# KiCad board mainboard_1.kicad_pcb (continued)
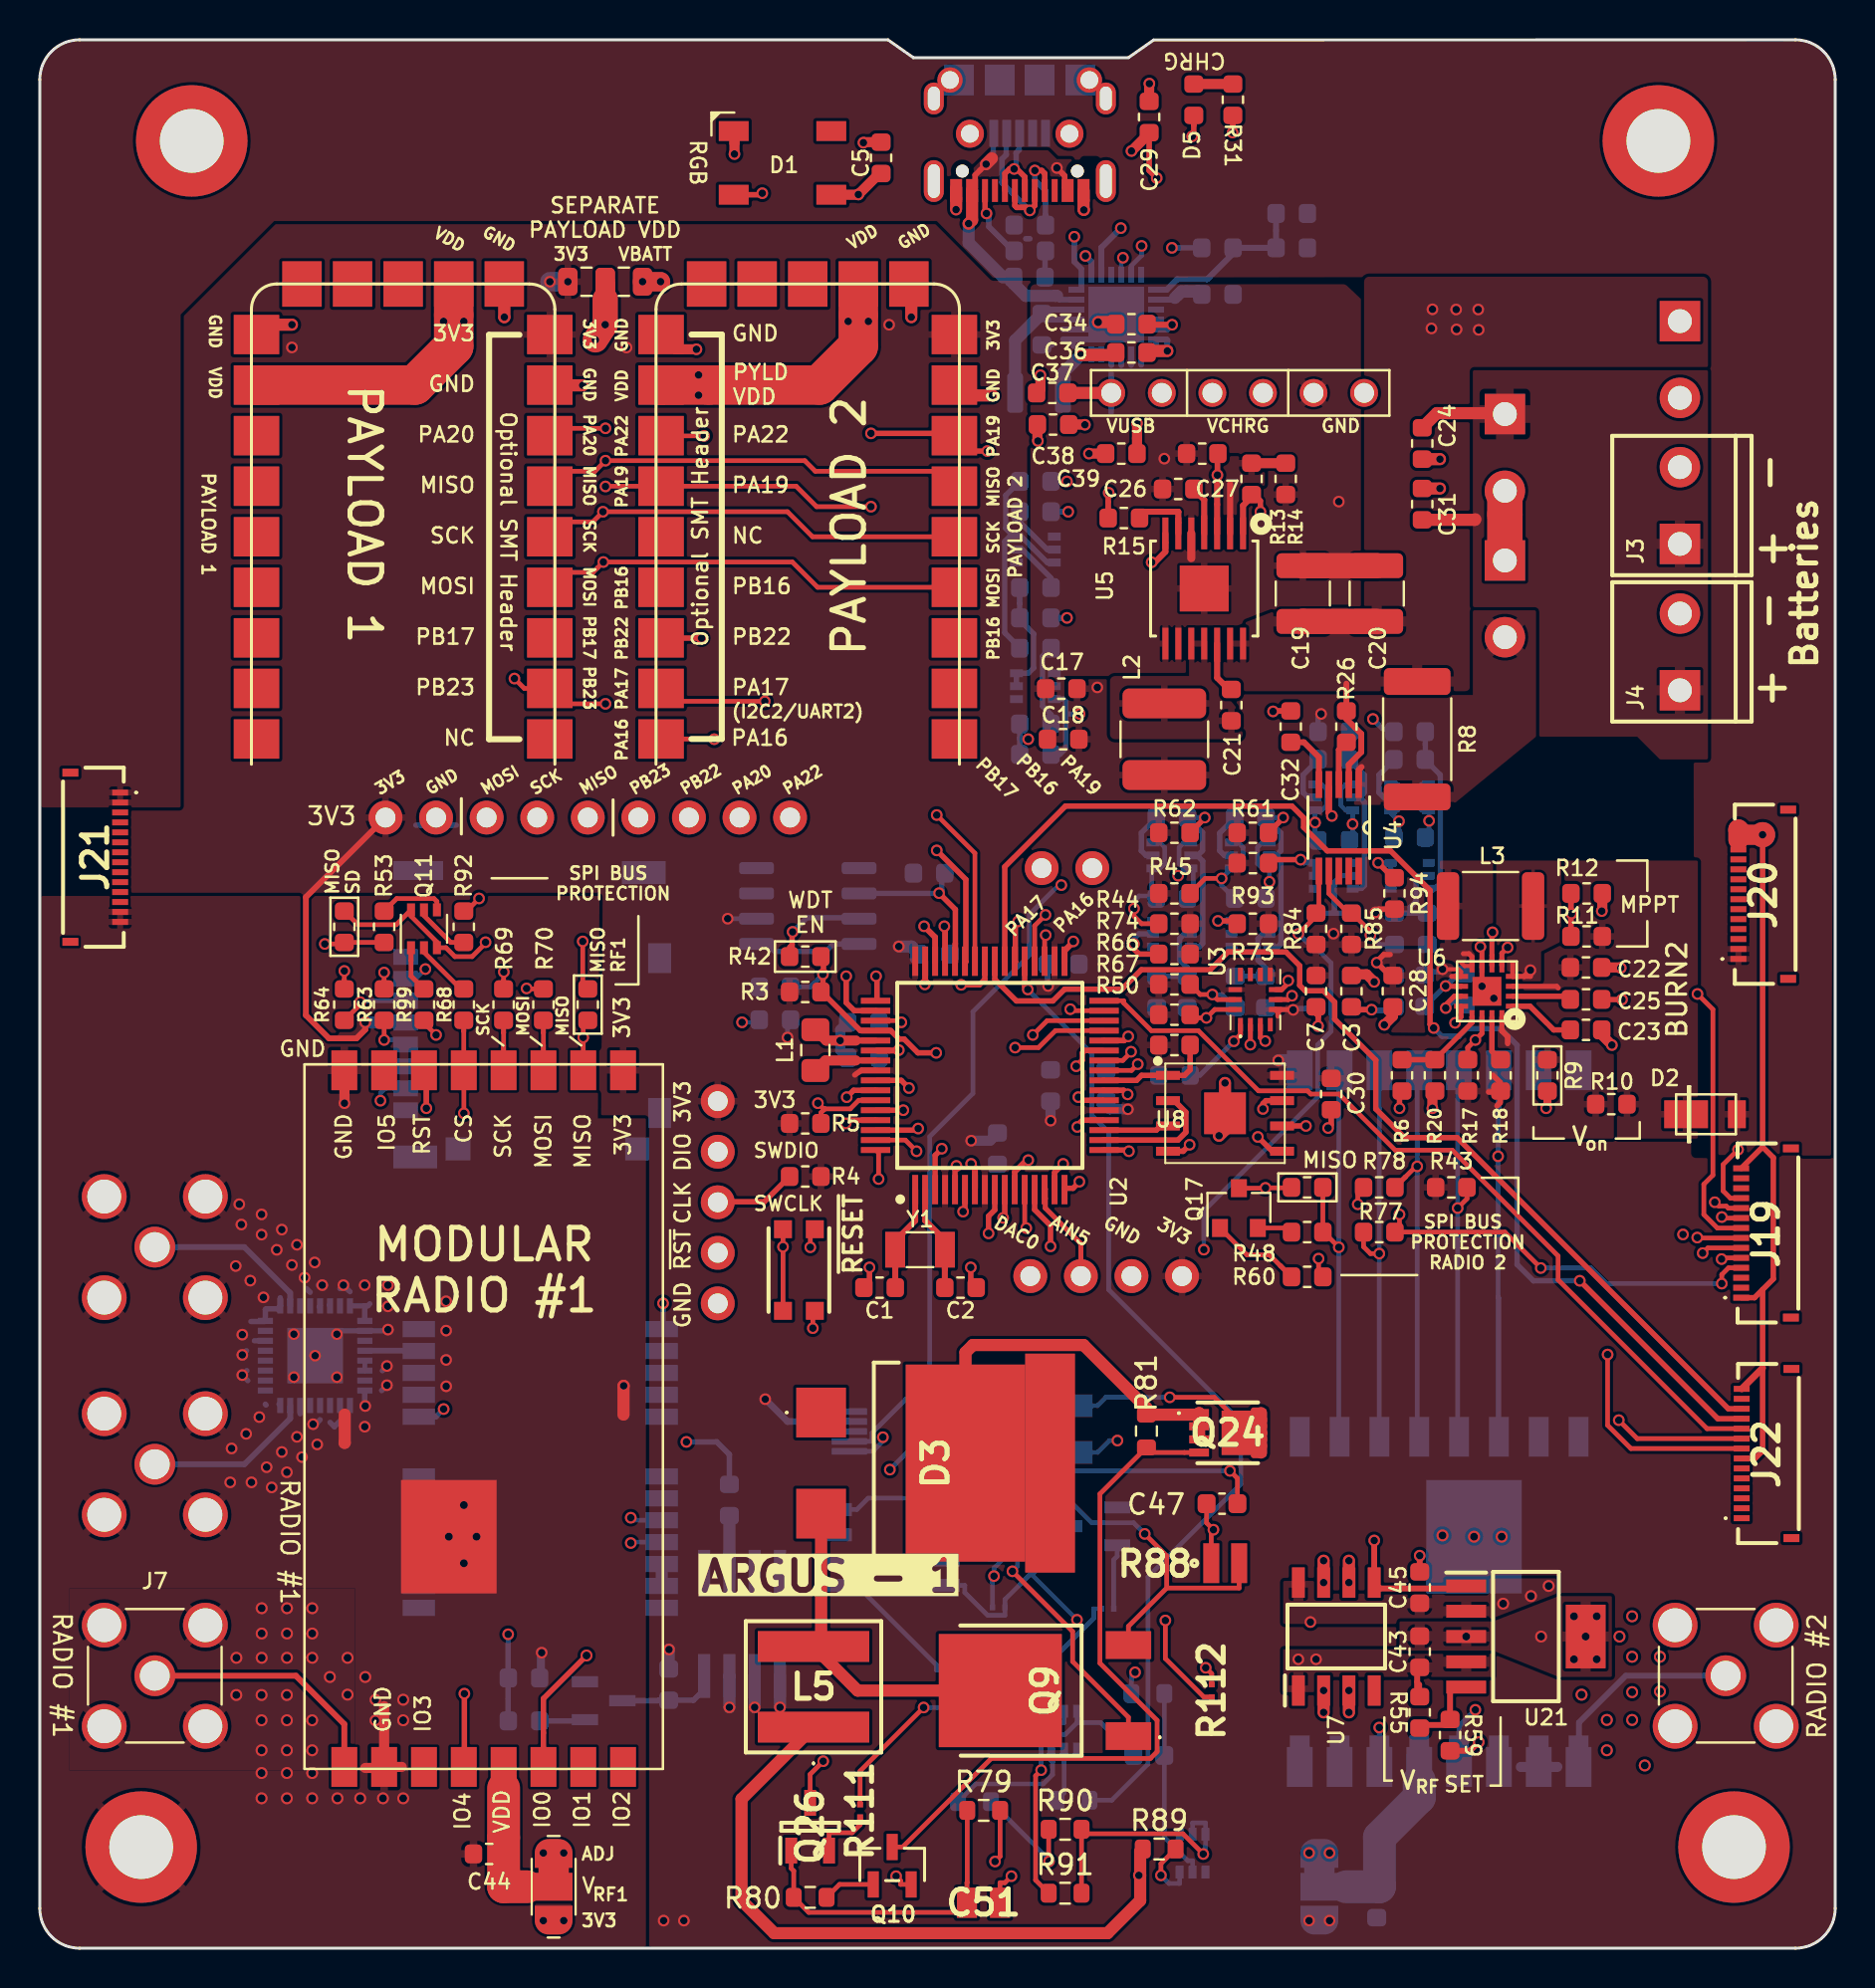
[diagram p0: board, top side]
## Text on the board (continued)
B.Silkscreen: GND | VDD | 3V3 | MOSI | SCK | MISO | PB23 | PB22 | PA20 | PA22 | PA17 | PA16 | PB16 | PB17 | PA19 | RF2 | VBATT | (I2C2/UART2) | ADJ | PWR  SCL  IMU | I2C BUS / PROTECTION | float | PAYLOAD 4 | PAYLOAD 3 | SWDIO | SWCLK | V | PYLD / VDD | SEPARATE / PAYLOAD VDD | NC | C | SDA IMU | Optional SMT Header | SDA / PWR | ~{RESET} | DAC0 | AIN5 | RADIO #1 | BURN2 | IO2 | IO1 | IO0 | IO4 | CS | IO3 | RST | IO5 | ANT | RADIO #2 | VUSB | VCHRG | Batteries | High Side / Switches | Low Side / Switch | + | - | MODULAR / RADIO #2
F.Mask: HOLLIDAY
F.Silkscreen: VDD | GND | 3V3 | MOSI | SCK | MISO | PB23 | PB22 | PA20 | PA22 | PA19 | PB16 | PA17 | PA16 | PB17 | DAC0 | AIN5 | VUSB | VCHRG | RF1 | SPI BUS / PROTECTION | RF | SPI BUS / PROTECTION / RADIO 2 | on | ADJ | VBATT | (I2C2/UART2) | MISO / SD | MISO / RF1 | PAYLOAD 2 | PAYLOAD 1 | SWDIO | SWCLK | V | IO5 | RST | IO3 | IO4 | CS | IO0 | IO1 | IO2 | PYLD / VDD | MPPT | SEPARATE / PAYLOAD VDD | NC | SET | DIO | CLK | ~{RST} | Optional SMT Header | RGB | WDT / EN | CHRG | RADIO #1 | RADIO #2 | ~{RESET} | BURN2 | Batteries | ARGUS - 1 | + | MODULAR / RADIO #1 | -
